# Altium PCB PCB1_old.PcbDoc
Units mm, origin at the board's own origin, x right, y up, seen from the top; angles counter-clockwise.
Board outline 152.4 x 101.6 mm, 2 copper layers (Top Layer, Bottom Layer); 206 components, 225 nets, 941 pads, 0 vias.
Unrouted connection lines stored in the file: 619.
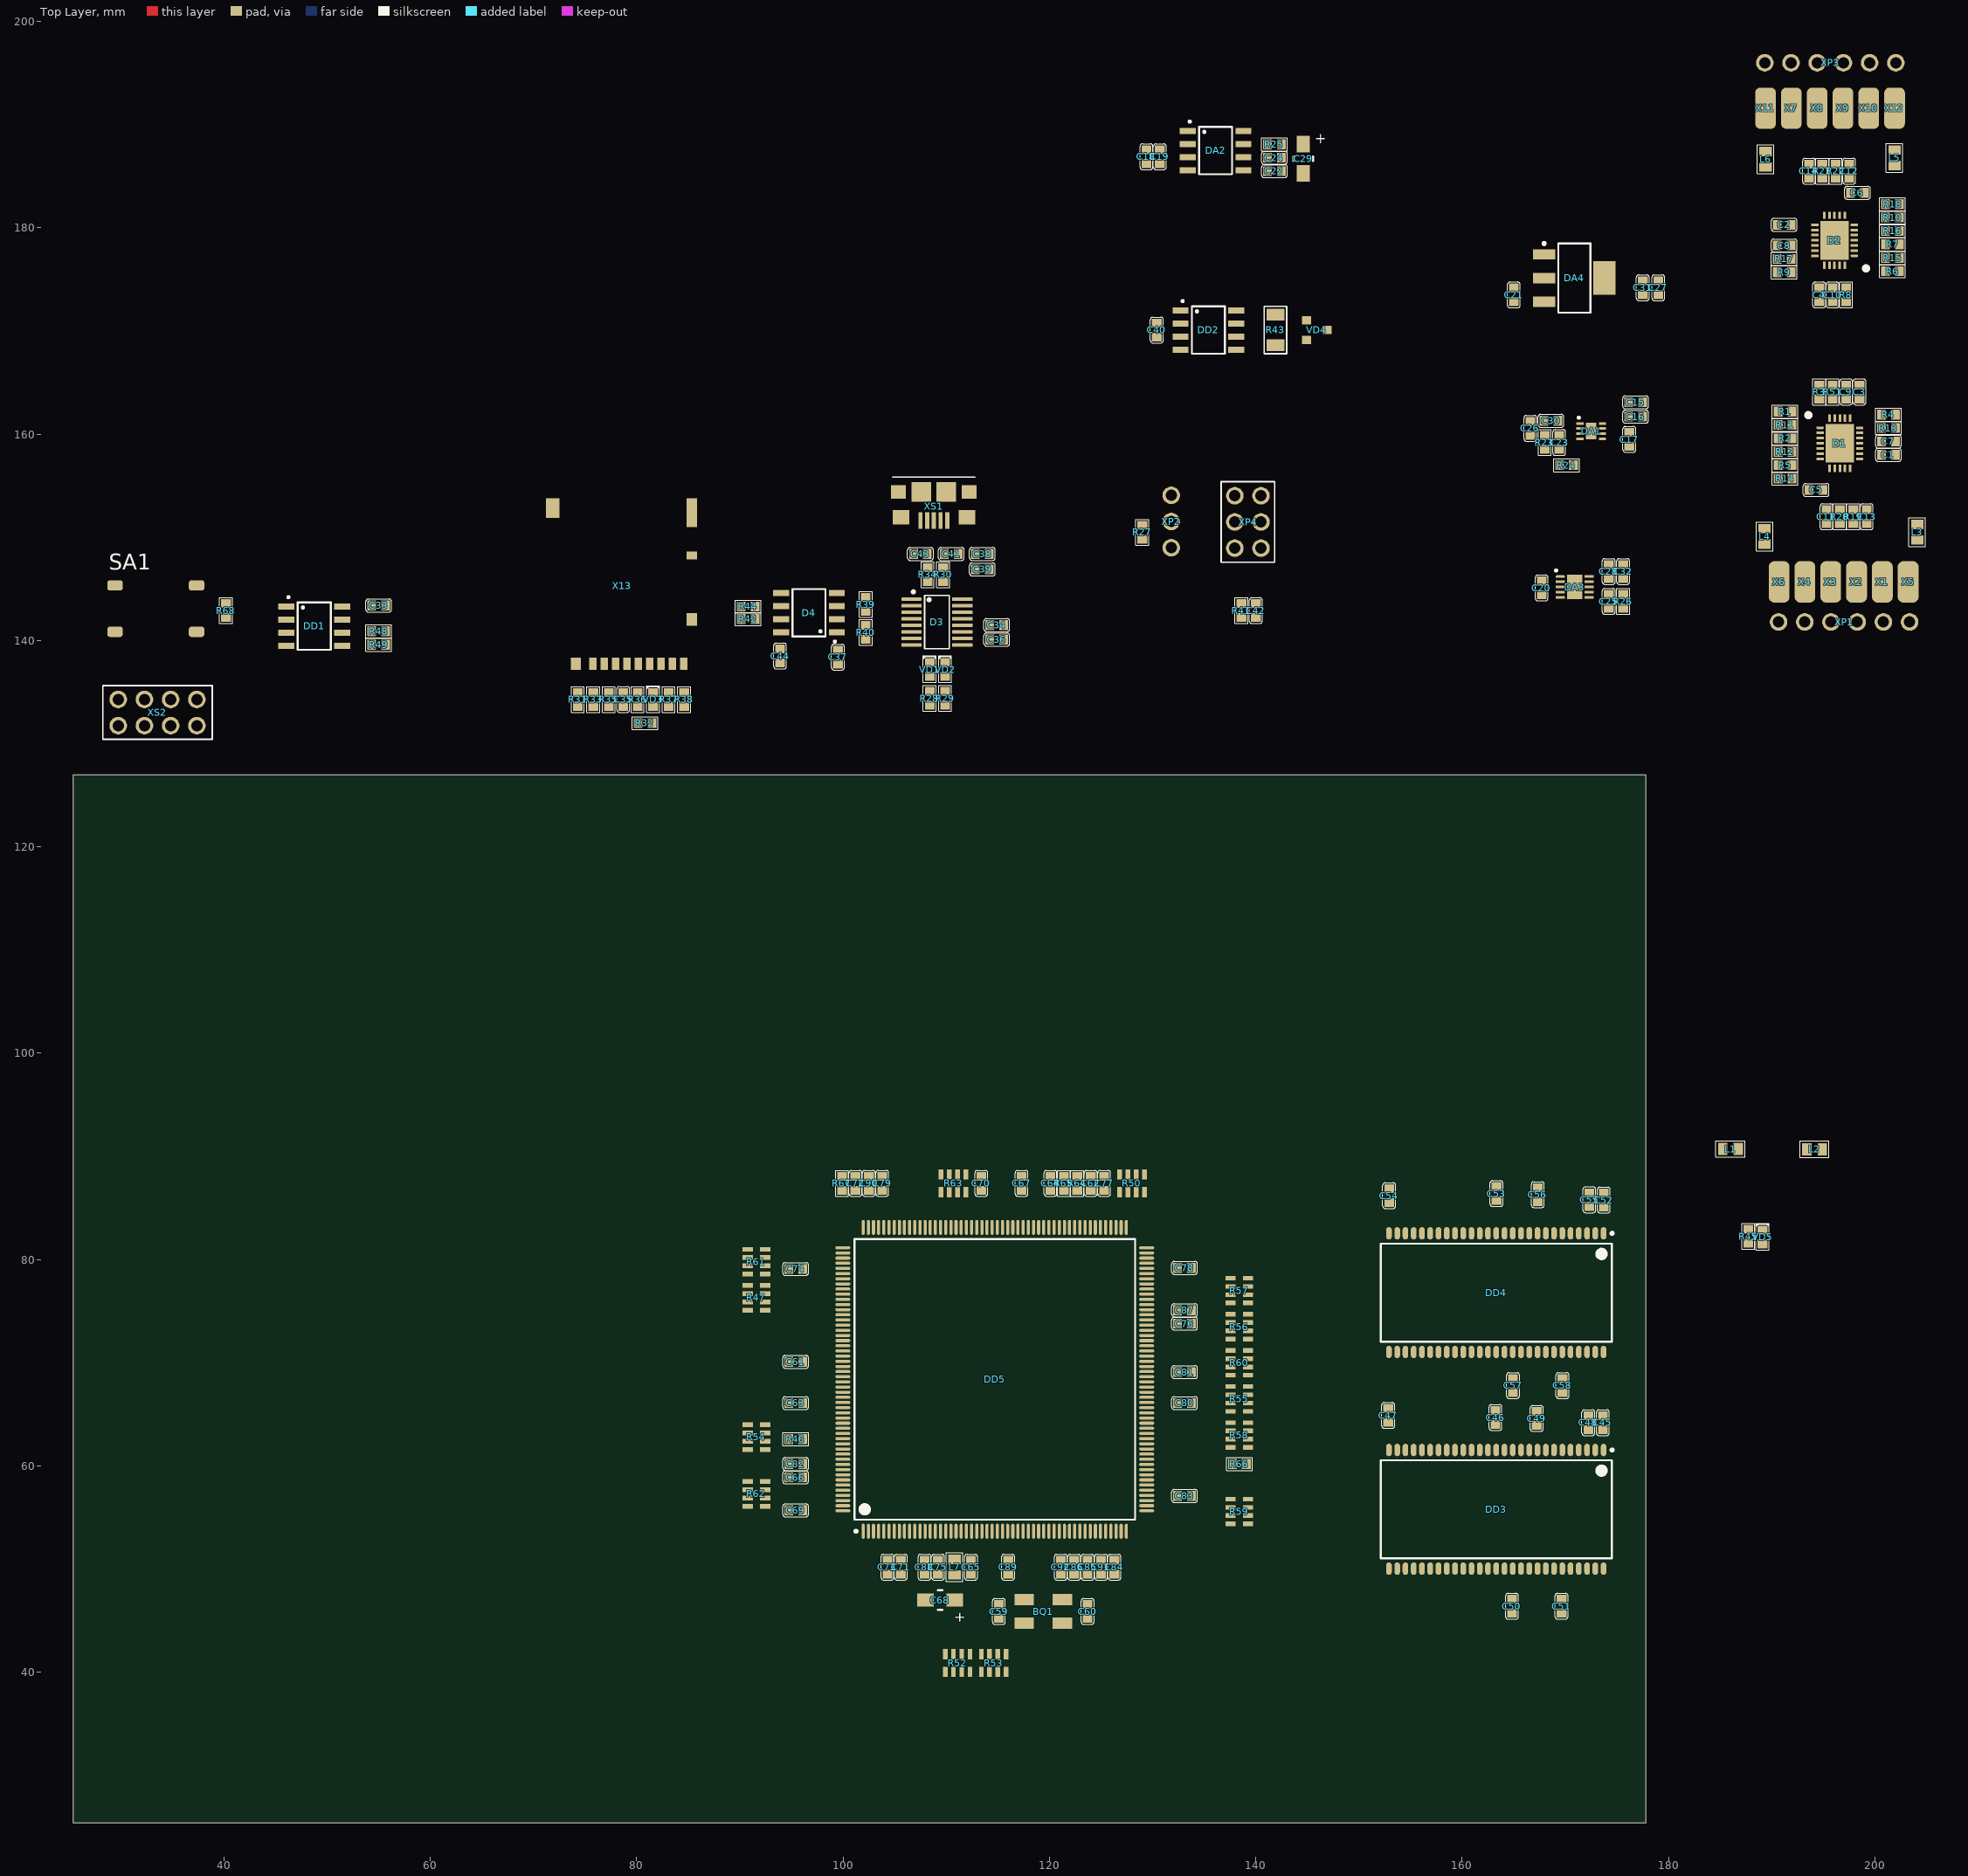
[diagram p0: Top Layer view]
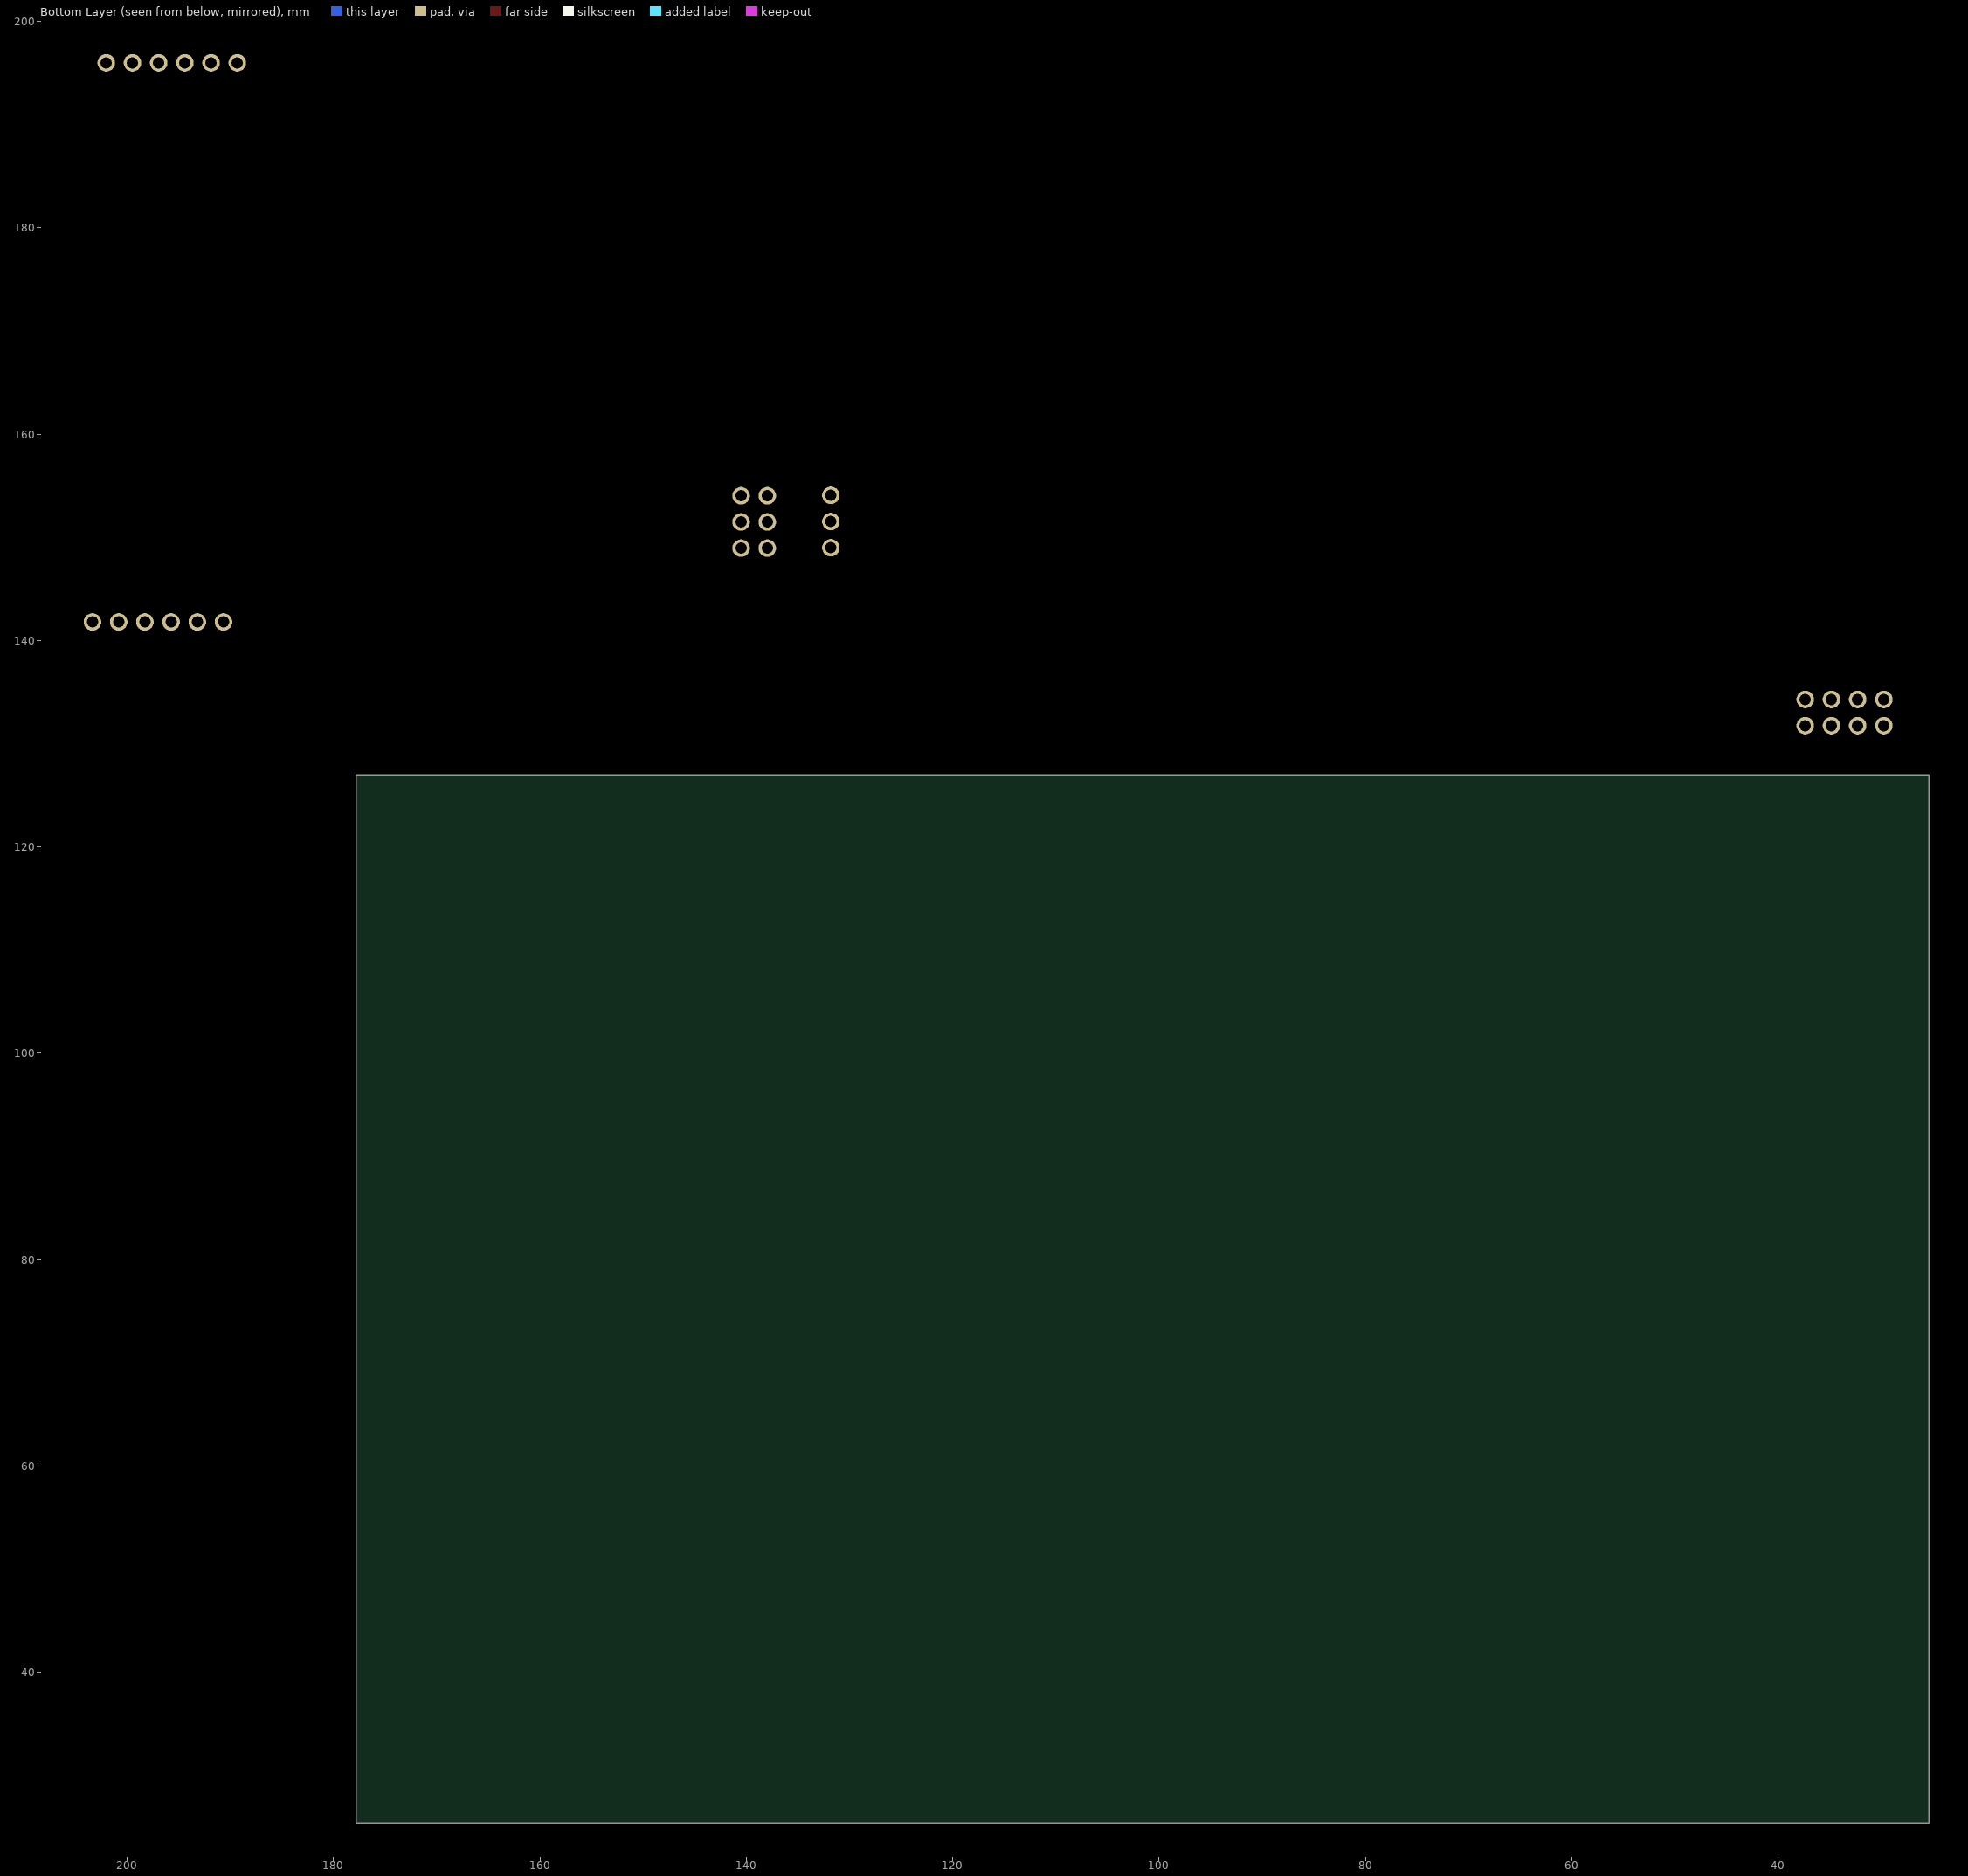
[diagram p1: Bottom Layer view, seen from below]

## Layer stack, top to bottom
Top Solder: solder mask 0.0102, Solder Resist, Dk 3.5
Top Layer: signal copper 0.0356
Dielectric 1: dielectric 0.32, FR-4, Dk 4.8
Bottom Layer: signal copper 0.0356
Bottom Solder: solder mask 0.0102, Solder Resist, Dk 3.5

## Board outline
25.4,25.4 177.8,25.4 177.8,127 25.4,127

## Design rules (kind name [scope] priority, off if disabled: settings)
Clearance [All] p1: gap=0.15 ignorepadtopadclearanceinfootprint=FALSE
MatchedLengths MatchLengths_DD5_Passives_DD3,DD4 [InxSignalClass('xSignals_DD5_Passives_DD3,DD4_MatchLengthsClass')] p1: tolerance=2.54 checknetsindiffpair=FALSE checkdiffpairvsdiffpair=TRUE checkxsignals=TRUE checkothers=TRUE
MatchedLengths MatchLengths_xSignals_DD5_Passives [InxSignalClass('xSignals_DD5_Passives_MatchLengthsClass')] p2: tolerance=2.54 checknetsindiffpair=FALSE checkdiffpairvsdiffpair=TRUE checkxsignals=TRUE checkothers=TRUE
MatchedLengths MatchLengths_xSignals_DD5_DD3,DD4 [InxSignalClass('xSignals_DD5_DD3,DD4_MatchLengthsClass')] p3: tolerance=5 checknetsindiffpair=FALSE checkdiffpairvsdiffpair=TRUE checkxsignals=TRUE checkothers=TRUE
PolygonConnect [All] p1: connectstyle=Relief reliefconductorwidth=0.254 reliefentries=4 polygonreliefangle="90 Angle" airgapwidth=0.254
RoutingVias [All] p1: holewidth=0.711 width=1.27 viastyle="Through Hole" minholewidth=0.711 minwidth=1.27 maxholewidth=0.711 maxwidth=1.27
SolderMaskExpansion [All] p1: expansion=0.102 istentingtop=FALSE
Width [All] p1: maxlimit=0.254 minlimit=0.254 preferedwidth=0.254
30 further rules are at their usual default settings.

## Classes and differential pairs
component class MCU_Power: C61 C62 C63 C64 C65 C66 C67 C68 C69 C70 C71 C72 C73 C74 C75 C76 C77 C78 C79 C80 C81 C82 C83 C84 C85 C86 C87 C88 C89 C90 C91 C92 L7 R46
component class SDRAM: C45 C46 C47 C48 C49 C50 C51 C52 C53 C54 C55 C56 C57 C58 DD3 DD4
component class OTHER: C33 C34 C35 C36 C37 C38 C39 C40 C41 C42 C43 C44 D3 D4 DD1 DD2 R28 R29 R30 R31 R32 R33 R34 R35 R36 R37 R38 R39 R40 R41 R42 R43 R44 R45 R68 SA1 VD1 VD2 VD3 VD4 VD5 X13 XP4 XS1
component class MCU_1: BQ1 C59 C60 DD5 R47 R48 R49 R50 R51 R52 R53 R54 R55 R56 R57 R58 R59 R60 R61 R62 R63 R64 R65 R66 R67
component class Connectors: L3 L4 L5 L6 R27 X1 X2 X3 X4 X5 X6 X7 X8 X9 X10 X11 X12 XP1 XP2 XP3 XS2
component class ADC: C1 C2 C3 C4 C5 C6 C7 C8 C9 C10 C11 C12 C13 C14 C15 C16 C17 C18 C19 C20 C21 C22 C23 C24 C25 C26 C27 C28 C29 C30 C31 C32 D1 D2 DA1 DA2 DA3 DA4 L1 L2 R1 R2 R3 R4 R5 R6 R7 R8 R9 R10 R11 R12 R13 R14 R15 R16 R17 R18 R19 R20 R21 R22 R23 R24 R25 R26

## Components (designator, comment, footprint, x,y, rotation, side; value= is the part's Value field where it differs from the comment)
BQ1 "?" Crystal_0532 119.4,45.9 r0 top
C1 "C" C0603 201.3,158 r0 top value="0,1 мк"
C2 "C" C0603 191.2,180.3 r180 top value="0,1 мк"
C3 "C" C0603 198.5,164.1 r90 top value="0,1 мк"
C4 "C" C0603 194.6,173.5 r270 top value="0,1 мк"
C5 "C" C0603 194.3,154.6 r0 top value="10 н"
C6 "C" C0603 198.3,183.4 r180 top value="10 н"
C7 "C" C0603 201.3,159.3 r0 top value="0,1 мк"
C8 "C" C0603 191.2,178.3 r180 top value="0,1 мк"
C9 "C" C0603 197.2,164.1 r90 top value="1 мк"
C10 "C" C0603 195.9,173.5 r270 top value="1 мк"
C11 "C" C0603 195.3,152 r270 top value="0,1 мк"
C12 "C" C0603 197.5,185.5 r90 top value="0,1 мк"
C13 "C" C0603 199.2,152 r270 top value="0,1 мк"
C14 "C" C0603 193.6,185.5 r90 top value="0,1 мк"
C15 "C" C0603 176.8,163.1 r0 top value="4,7 мк"
C16 "C" C0603 176.8,161.7 r0 top value="0,1 мк"
C17 "C" C0603 176.2,159.5 r270 top value="1 мк"
C18 "C" C0603 129.4,186.9 r270 top value="1 мк"
C19 "C" C0603 130.7,186.9 r270 top value="0,1 мк"
C20 "C" C0603 167.7,145.1 r270 top value="4,7 мк"
C21 "C" C0603 165,173.5 r90 top value="1 мк"
C22 "C" C0603 141.8,185.5 r0 top value="1 мк"
C23 "C" C0603 169.4,159.2 r90 top value="10 н"
C24 "C" C0603 141.8,186.8 r0 top value="1 мк"
C25 "C" C0603 174.2,143.8 r270 top value="0,47 мк"
C26 "C" C0603 166.6,160.575 r90 top value="1 мк"
C27 "C" C0603 179,174.2 r270 top value="0,1 мк"
C28 "C" C0603 174.2,146.7 r90 top value="0,1 мк"
C29 "C_el" "Case A" 144.6,186.7 r270 top value="10 мк"
C30 "C" C0603 168.6,161.3 r180 top value="4,7 мк"
C31 "C" C0603 177.5,174.2 r270 top value="1 мк"
C32 "C" C0603 175.6,146.7 r90 top value="4,7 мк"
C33 "C" C0603 55,143.4 r0 top value="0,1 мк"
C34 "C" C0603 114.9,141.5 r0 top value="0,1 мк"
C35 "C" C0603 78.7,134.3 r270 top value="0,22 мк"
C36 "C" C0603 114.9,140.1 r0 top value="0,1 мк"
C37 "C" C0603 99.5,138.4 r270 top value="0,1 мк"
C38 "C" C0603 113.5,148.4 r0 top value="4,7 мк"
C39 "C" C0603 113.5,146.9 r0 top value="0,1 мк"
C40 "C" C0603 130.4,170.1 r90 top value="0,1 мк"
C41 "C" C0603 110.5,148.4 r0 top value=47
C42 "C" C0603 140,142.9 r270 top value="0,1 мк"
C43 "C" C0603 107.5,148.4 r180 top value=47
C44 "C" C0603 93.9,138.5 r270 top value="0,1 мк"
C45 "C" C0603 173.625,64.2 r90 top value="0,1 мк"
C46 "C" C0603 163.225,64.7 r90 top value="0,1 мк"
C47 "C" C0603 152.825,64.9 r90 top value="0,1 мк"
C48 "C" C0603 172.225,64.2 r90 top value="0,1 мк"
C49 "C" C0603 167.225,64.6 r90 top value="0,1 мк"
C50 "C" C0603 164.825,46.4 r270 top value="0,1 мк"
C51 "C" C0603 169.625,46.4 r270 top value="0,1 мк"
C52 "C" C0603 173.725,85.775 r90 top value="0,1 мк"
C53 "C" C0603 163.325,86.4 r90 top value="0,1 мк"
C54 "C" C0603 152.925,86.2 r90 top value="0,1 мк"
C55 "C" C0603 172.325,85.8 r90 top value="0,1 мк"
C56 "C" C0603 167.325,86.3 r90 top value="0,1 мк"
C57 "C" C0603 164.925,67.8 r270 top value="0,1 мк"
C58 "C" C0603 169.725,67.8 r270 top value="0,1 мк"
C59 "C" C0603 115.1,45.9 r90 top value=12
C60 "C" C0603 123.7,45.9 r270 top value=12
C61 "C" C0603 95.4,70.1 r180 top value="0,1 мк"
C62 "C" C0603 124,87.4 r270 top value="4,7 мк"
C63 "C" C0603 95.4,66.1 r180 top value="0,1 мк"
C64 "C" C0603 120.1,87.4 r270 top value="0,1 мк"
C65 "C" C0603 112.4,50.2 r270 top value="4,7 мк"
C66 "C" C0603 95.4,58.9 r180 top value="0,1 мк"
C67 "C" C0603 117.3,87.4 r270 top value="0,1 мк"
C68 "C_el" "Case A" 109.4,47 r180 top value="10 мк"
C69 "C" C0603 95.4,55.7 r180 top value="0,1 мк"
C70 "C" C0603 113.4,87.4 r270 top value="0,1 мк"
C71 "C" C0603 105.6,50.2 r270 top value="0,1 мк"
C72 "C" C0603 101.2,87.4 r270 top value="0,1 мк"
C73 "C" C0603 104.3,50.2 r270 top value="0,1 мк"
C74 "C" C0603 95.4,79.1 r0 top value="0,1 мк"
C75 "C" C0603 109.2,50.2 r270 top value=220
C76 "C" C0603 133.1,73.8 r0 top value="2,2 мк"
C77 "C" C0603 125.3,87.4 r90 top value="0,1 мк"
C78 "C" C0603 133.1,79.2 r180 top value="0,1 мк"
C79 "C" C0603 103.8,87.4 r90 top value="2,2 мк"
C80 "C" C0603 133.1,66.1 r0 top value="0,1 мк"
C81 "C" C0603 133.1,69.1 r180 top value="0,1 мк"
C82 "C" C0603 95.4,60.2 r180 top value="2,2 мк"
C83 "C" C0603 133.1,57.1 r0 top value="0,1 мк"
C84 "C" C0603 126.3,50.2 r90 top value="0,1 мк"
C85 "C" C0603 123.7,50.2 r270 top value="0,1 мк"
C86 "C" C0603 122.4,50.2 r90 top value="0,1 мк"
C87 "C" C0603 133.1,75.1 r0 top value="4,7 мк"
C88 "C" C0603 107.9,50.2 r270 top value="0,1 мк"
C89 "C" C0603 116,50.2 r90 top value="0,1 мк"
C90 "C" C0603 102.5,87.4 r90 top value="4,7 мк"
C91 "C" C0603 125,50.2 r270 top value="1 мк"
C92 "C" C0603 121.1,50.2 r90 top value="1 мк"
D1 "ADS1283 VQFN-24" VQFN24_8x8x4x4 196.6,159.124 r0 top
D2 "ADS1283 VQFN-24" VQFN24_8x8x4x4 196.084,178.8 r180 top
D3 "FT230XS-U" SSOP-16 109.1,141.8 r0 top
D4 "ADUM1201 SOIC-8" SOIC8 96.7,142.7 r180 top
DA1 "ADP7183" LFCSP-8 172.5,160.3 r0 top
DA2 "REF5050" SOIC8 136.1,187.5 r0 top
DA3 "LT3042" "DFN-10 3x3" 170.9,145.2 r0 top
DA4 "ADP3338AKCZ-3.3RL7" SOT-223 170.864,175.134 r0 top
DD1 "AT24C08C" SOIC8 48.752,141.403 r0 top
DD2 "SN65HVD234D" SOIC8 135.4,170.1 r0 top
DD3 "IS42S16400J" TSOP-54 163.3,55.8 r270 top
DD4 "IS42S16400J" TSOP-54 163.3,76.8 r270 top
DD5 "STM32H745" LQFP208 114.7,68.4 r90 top
L1 "BLM18PG181SN1D" INDC_0603 185.994,90.728 r0 top
L2 "BLM18PG181SN1D" INDC_0603 194.15,90.7 r0 top
L3 "BLM18PG181SN1D" INDC_0603 204.1,150.5 r90 top
L4 "BLM18PG181SN1D" INDC_0603 189.3,150.1 r90 top
L5 "BLM18PG181SN1D" INDC_0603 201.9,186.8 r270 top
L6 "BLM18PG181SN1D" INDC_0603 189.4,186.65 r270 top
L7 "2,2 мк" INDC_0603 110.8,50.2 r270 top
R1 "R" R0603 191.3,162.2 r0 top value=47
R2 "R" R0603 191.3,159.6 r0 top value=47
R3 "R" R0603 194.6,164.1 r270 top value=47
R4 "R" R0603 201.3,161.9 r180 top value="10 к"
R5 "R" R0603 191.3,157 r0 top value=47
R6 "R" R0603 201.7,175.8 r180 top value=47
R7 "R" R0603 201.7,178.4 r180 top value=47
R8 "R" R0603 197.2,173.5 r90 top value=47
R9 "R" R0603 191.2,175.7 r0 top value="10 к"
R10 "R" R0603 201.7,181 r180 top value=47
R11 "R" R0603 191.3,160.9 r0 top value=47
R12 "R" R0603 191.3,158.3 r0 top value=47
R13 "R" R0603 201.3,160.6 r180 top value="10 к"
R14 "R" R0603 191.3,155.7 r0 top value=47
R15 "R" R0603 201.7,177.1 r180 top value=47
R16 "R" R0603 201.7,179.7 r180 top value=47
R17 "R" R0603 191.2,177 r0 top value="10 к"
R18 "R" R0603 201.7,182.3 r180 top value=47
R19 "R" R0603 197.9,152 r90 top value=47
R20 "R" R0603 196.6,152 r90 top value=47
R21 "R" R0603 194.9,185.5 r270 top value=47
R22 "R" R0603 196.2,185.5 r270 top value=47
R23 "R" R0603 168,159.2 r90 top value="100 к"
R24 "R" R0603 170.1,157 r0 top value="24,9 к"
R25 "R" R0603 141.8,188.1 r0 top value=100
R26 "R" R0603 175.6,143.8 r90 top value="24,9 к"
R27 "R" R0603 129,150.5 r90 top value="10 к"
R28 "R" R0603 108.4,134.4 r90 top value=270
R29 "R" R0603 109.9,134.4 r90 top value=270
R30 "R" R0603 109.7,146.4 r270 top value=27
R31 "R" R0603 74.3,134.3 r270 top value="10 к"
R32 "R" R0603 80.8,132 r180 top value=330
R33 "R" R0603 75.8,134.3 r270 top value="10 к"
R34 "R" R0603 108.2,146.4 r270 top value=27
R35 "R" R0603 77.3,134.3 r270 top value="10 к"
R36 "R" R0603 80.1,134.3 r270 top value="10 к"
R37 "R" R0603 83.1,134.3 r270 top value="10 к"
R38 "R" R0603 84.6,134.3 r270 top value="10 к"
R39 "R" R0603 102.2,143.5 r270 top value="10 к"
R40 "R" R0603 102.2,140.8 r270 top value="10 к"
R41 "R" R0603 138.6,142.9 r90 top value="10 к"
R42 "R" R0603 90.8,142.1 r180 top value=27
R43 "R" R1206 141.9,170.1 r270 top value=120
R44 "R" R0603 90.8,143.3 r180 top value=27
R45 "R" R0603 187.729,82.254 r90 top value=330
R46 "R" R0603 95.4,62.6 r0 top value="10 к"
R47 "RES_4" CAT16 91.6,76.3 r0 top value=33
R48 "R" R0603 55,140.9 r0 top value="2,2 к"